# KiCad board KLST_CATERPILLAR.kicad_pcb (continued)
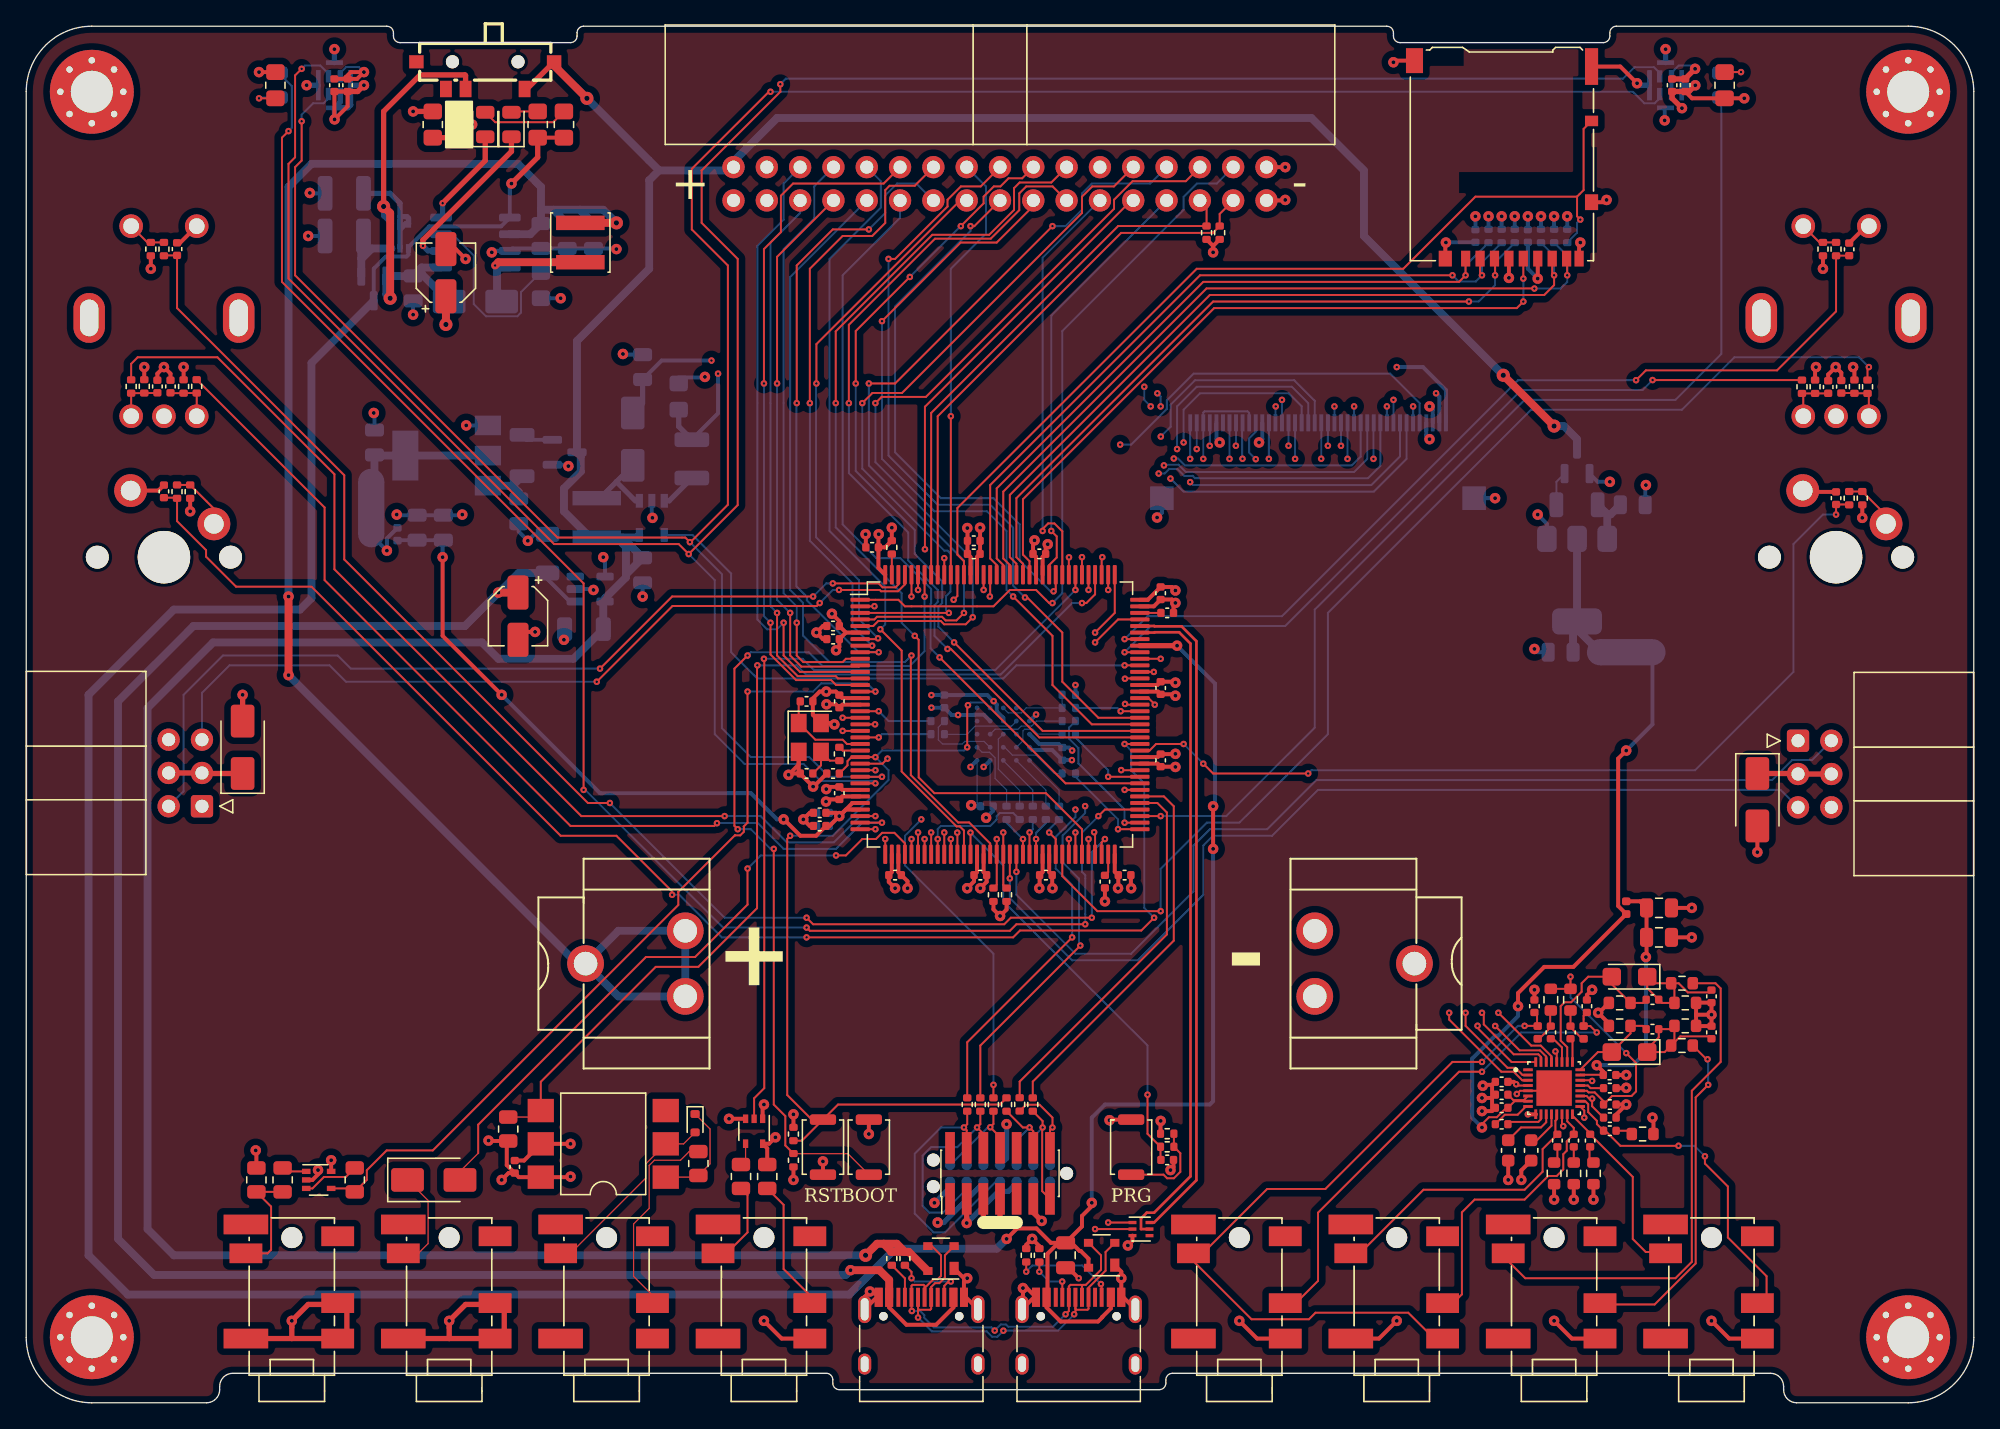
[diagram p0: board, top side]
## Routing (per net, layer and track width the routed paths; a pad name or vN(x,y) marks a point on that pad's centre or on a via; arc(x,y) is an arc through that point) (continued)
  Top w0.15: U2.74 v2(83.75,44.25)
  Bottom w0.15: v2(83.75,44.25) 83.75,45.25 80.23,48.77 80.23,49.95 79.51,50.66 79.51,51.5 R64.2
_EXT_MEMORY_A3: length 5.7
  Top w0.15: U2.18 v2(65,52.75)
  Bottom w0.15: v2(65,52.75) 65.75,52 R67.2
_EXT_MEMORY_A4: length 3.2
  Top w0.15: v2(76,43) U2.58
  Bottom w0.15: v2(76,43) 74.75,44.25 R68.2
_EXT_MEMORY_A5: length 2.8
  Top w0.15: v2(76.5,43.5) U2.59
  Bottom w0.15: R71.2 76.75,43.75 v2(76.5,43.5)
_EXT_MEMORY_A6: length 3
  Top w0.15: v2(77,43) U2.60
  Bottom w0.15: R70.2 77.75,44.22 77,43.47 v2(77,43)
_EXT_MEMORY_A7: length 3.2
  Top w0.15: U2.63 78.5,43 v2(78,43.5)
  Bottom w0.15: v2(78,43.5) 78,43.74 R69.2
_EXT_MEMORY_CHIP_SELECT: length 5
  Top w0.15: U2.91 v2(83.45,52.75)
  Bottom w0.15: R60.1 83.2,53 v2(83.45,52.75)
_EXT_MEMORY_CLK: length 5.5
  Top w0.15: U2.22 v2(65,50.75)
  Bottom w0.15: v2(65,50.75) 65.25,51 R61.1
_EXT_MEMORY_DQS: length 9
  Top w0.15: U2.45 v2(69.5,43)
  Bottom w0.15: R62.1 75.25,44.98 74.23,44.98 74,44.75 74,44.5 73.5,44 69.75,44 69.5,43.75 v2(69.5,43)
_IDC_SERIAL_00_RX: length 62.5
  Top w0.15: v2(60.5,61) 60.28,60.78 49.28,60.78 v2(43.5,55) ; v2(61.97,62) 65.08,62 65.18,61.9 66.47,61.9 67,62.42 U2.141
  Bottom w0.15: J6.5 13.4,54.15 15.5,56.25 23.12,56.25 24.38,55 v2(43.5,55) ; v2(60.5,61) 61.5,62 v2(61.97,62)
_IDC_SERIAL_00_TX: length 68.8
  Top w0.15: v2(60,61.5) 49.25,61.5 v2(43.75,56) ; U2.142 66.5,62.42 66.28,62.2 65.3,62.2 65,62.5 v2(61.5,62.5)
  Bottom w0.15: v2(61.5,62.5) 61,62.5 v2(60,61.5) ; v2(43.75,56) 24.75,56 23.75,57 15,57 12,54 12,46.64 J6.2
_IDC_SERIAL_01_RX: length 73.5
  Top w0.15: U2.56 v2(75,40)
  Bottom w0.15: J5.5 133.77,46.75 98.5,46.75 95,43.25 90.5,43.25 89.75,42.5 89.75,38.75 84.75,33.75 79.75,33.75 75,38.5 v2(75,40)
_IDC_SERIAL_01_TX: length 75.9
  Top w0.15: U2.57 v2(75.5,40.5)
  Bottom w0.15: v2(75.5,40.5) 75.5,38.75 80,34.25 84.25,34.25 89,39 89,42.5 90.25,43.75 94.62,43.75 98.38,47.5 133.13,47.5 134.66,49.03 136.17,49.03 J5.2
_LED_00: length 83.8
  Top w0.15: U2.75 v2(86.5,44.75)
  Bottom w0.15: D1.2 129.25,80 125.75,76.5 114.25,76.5 98.25,60.5 98.25,51.5 91.5,44.75 v2(86.5,44.75)
_LED_01: length 120.1
  Top w0.15: v2(80.75,36.5) 75.5,36.5 75,36 59.75,36 v2(59.5,36.25) ; U2.76 82.25,45.25 v2(81.75,44.75) ; v2(20,97) 19.5,96.5 19.5,85.5 42.5,62.5 v2(42.5,46.75)
  Bottom w0.15: v2(59.5,36.25) 53.12,36.25 42.62,46.75 v2(42.5,46.75) ; v2(80.75,36.5) 80.75,40.25 80.5,40.5 80.5,43.49 81.75,44.74 v2(81.75,44.75) ; v2(20,97) 20.25,97.25 20.25,100.44 D2.2
_MECH_BUTTON_00: length 69.9
  Top w0.15: v2(97.75,48) 90.5,48 v2(89.75,48.75) ; v2(88.25,50.25) 86.15,50.25 85.65,49.75 U2.85 ; v2(138,67.75) C52.1 138.97,68.52 R51.1
  Bottom w0.15: v2(97.75,48) 98,48.25 127.25,48.25 134.75,55.75 134.75,65.5 137,67.75 v2(138,67.75) ; v2(88.25,50.25) v2(89.75,48.75)
_MECH_BUTTON_01: length 106.8
  Top w0.15: v2(86,37) 85.03,36.03 75.78,36.03 75.25,35.5 v2(59.5,35.5) ; v2(83.75,50.25) U2.86 ; C53.1 11.45,69.04 R53.1 11.5,67.25 13.71,65.04 13.71,64.54 16,62.25 21.75,62.25 40.75,43.25 45,43.25 49.25,39 v2(49.25,38.75)
  Bottom w0.15: v2(49.25,38.75) 49.8,38.75 53.05,35.5 v2(59.5,35.5) ; v2(83.75,50.25) 84.25,49.75 84.25,48.25 85.25,47.25 85.25,37.75 v2(86,37)
_MIDI_ANALOG_IN: length 75.5
  Top w0.09: R42.2 38.74,21.79 U5.4
  Top w0.15: U2.112 81.5,61.66 80.84,61 v2(80.5,61) ; v2(55.75,56.25) 55.72,56.23 55.72,37.72 51.25,33.25 48,33.25 39.23,24.49 U5.4
  Bottom w0.15: v2(55.75,56.25) 58.75,56.25 59.45,55.55 74.3,55.55 79.75,61 v2(80.5,61)
_MIDI_ANALOG_OUT: length 63.2
  Top w0.15: U2.115 v2(80,62) ; v2(56.25,56.75) 56.28,56.72 56.28,24 55.5,23.22 U6.2
  Bottom w0.15: v2(56.25,56.75) 59.2,56.75 60.05,55.9 73.9,55.9 v2(80,62)
_RCC_OSC_IN: length 7
  Top w0.15: C9.2 58.9,53.38 Y1.1 60.17,50.58 62.25,50.58 62.58,50.25 U2.23
_RCC_OSC_OUT: length 1.7
  Top w0.15: R7.1 62.25,49.75 U2.24
_SERIAL_DEBUG_RX: length 29.6
  Top w0.15: U2.78 86.75,46.25 87.5,45.5 87.5,35.25 76.75,24.5 R58.2
_SERIAL_DEBUG_TX: length 28.8
  Top w0.15: U2.77 86.25,45.75 86.97,45.03 86.97,35.72 75.75,24.5 R59.2
_SWD_CLK: length 45.7
  Top w0.15: v2(81.5,58.75) 83,60.25 U2.109 ; v2(80.37,34.87) 72.75,27.25 R55.2
  In2.Cu w0.15: v2(81.5,58.75) 82,58.25 82,46.77 v2(80.74,45.51)
  Bottom w0.15: v2(80.37,34.87) 80.28,34.97 80.28,39.97 79.03,41.22 79.03,43.28 80.74,44.99 v2(80.74,45.51)
_SWD_IO: length 44
  Top w0.15: R56.2 71.75,27.5 v2(79.75,35.5) ; U2.105 83.25,59.75 v2(81.5,58)
  In2.Cu w0.15: v2(81.5,58) 81.5,55.08 80.25,53.83 80.25,45.5 v2(80,45.25)
  Bottom w0.15: v2(80,45.25) 80,44.67 78.5,43.17 78.5,40.75 79.75,39.5 v2(79.75,35.5)
_SWD_OUT: length 44.7
  Top w0.15: U2.133 71,61.54 v2(70.71,61.25) ; R57.2 v2(73.75,24.25)
  In2.Cu w0.15: v2(70.71,61.25) 70.09,61.25 68.25,59.41 v2(68.25,44.5)
  Bottom w0.15: v2(73.75,24.25) 73.75,34.25 67,41 67,43.25 v2(68.25,44.5)
_USB_DEVICE_HOST_N: length 51.4
  Top w0.2: U2.103 86.02,58.75 86.04,58.78 87.91,58.78 88.78,57.91 88.78,17.28 86,14.5 85.44,14.5 85,14.06 85,13.25 U7.5
_USB_DEVICE_HOST_P: length 50.8
  Top w0.2: U2.104 86.02,59.25 86.04,59.22 88.09,59.22 89.22,58.09 89.22,16.97 86,13.75 U7.6
_USB_DEVICE_HOST_VBUS: length 263.9
  Top w0.3: v1(74.75,12.5) 75.55,13.3 77.03,13.3 78.13,12.2 C46.1 ; C46.1 80.5,13.45 80.5,14.25 81.25,15 v1(81.25,15.25) ; C46.1 78.7,12.2 77.87,11.37 77.87,8.12 J9.A4 77.8,7.27 78.87,6.2 81.73,6.2 82.05,6.52 82.05,6.55 82.7,7.2 J9.A9 ; C46.1 79.7,12.2 80.32,11.57 80.41,11.57 81,10.99 D12.4 ; v1(90.5,42.25) v1(90.5,45.5) ; R20.2 R21.2
  Top w0.4: v1(37,93) 39,95 R21.2 ; U2.101 v1(87.75,57.75)
  Bottom w0.3: v1(87.75,57.75) 90.65,54.85 90.65,45.65 v1(90.5,45.5) ; Q3.3 26.5,86.51 27.42,87.43 29,87.43 29.15,87.58 Q2.1 29.15,88.15 30.73,89.73 36.2,89.73 U4.5 36.88,92.88 v1(37,93) ; v1(81.25,15.25) 81.25,21.75 82.25,22.75 90.25,22.75 90.5,23 v1(90.5,42.25)
  Bottom w0.6: v1(74.75,12.5) 74,11.75 66.25,11.75 62.75,8.25 7.75,8.25 4.75,11.25 4.75,54 11.25,60.5 20.88,60.5 21.75,61.38 21.75,79.31 Q3.3
BOOT0: length 67.8
  Top w0.09: SW2.1 62.65,19 58.51,19 R11.2
  Top w0.15: R11.2 57.88,19.63 57.88,21.87 57,22.75 v2(57,42.25) ; v2(54.25,43.75) 54,44 54,56 v2(55,57) ; v2(68.5,61.5) U2.138
  Bottom w0.15: v2(57,42.25) 56.75,42.25 55.25,43.75 v2(54.25,43.75) ; v2(68.5,61.5) 68.5,57.33 67.37,56.2 60.71,56.2 59.66,57.25 55.25,57.25 v2(55,57)
GPIO_00_PWM: length 42.9
  Top w0.15: v2(57.25,60.25) 57.25,57 58.83,55.42 61.72,55.42 61.9,55.25 U2.13
  Bottom w0.15: J13.5 59.01,90.76 56.75,88.5 56.75,60.75 v2(57.25,60.25)
GPIO_01_PWM: length 47.2
  Top w0.15: v2(57.75,59.5) 57.75,57 59,55.75 U2.12
  Bottom w0.15: v2(57.75,59.5) 57.25,59 56.5,59 55.75,59.75 55.75,88.24 57.75,90.24 57.75,92.99 J13.6
GPIO_02_PWM: length 42.6
  Top w0.15: v2(58.25,60.25) 58.25,57 59.1,56.15 63.49,56.15 U2.11 ; J13.7 57.25,87.41 v2(57.25,77.75)
  Bottom w0.15: v2(58.25,60.25) 57.25,61.25 v2(57.25,77.75)
GPIO_03_PWM: length 44.4
  Top w0.15: v2(58.75,59.5) 58.75,57 59.25,56.5 62.25,56.5 62.5,56.75 U2.10
  Bottom w0.15: v2(58.75,59.5) 58.75,60.75 57.75,61.75 57.75,88 60.08,90.33 60.08,92.78 J13.8
GPIO_04_ADC: length 63.5
  Top w0.15: U2.53 73.5,42.66 71.9,44.26 71.06,44.26 67.45,47.88 67.45,56.95 v2(67.5,57)
  Bottom w0.15: v2(67.5,57) 67,56.5 61.25,56.5 59.22,58.53 59.22,61.03 58.25,62 58.25,85.87 J13.9
GPIO_05_ADC: length 59.2
  Top w0.15: U2.49 71.5,43.65 71.19,43.96 70.94,43.96 66.75,48.15 66.75,57.38 v2(65.12,59)
  Bottom w0.15: J13.10 65.17,93.17 65.17,91.16 61.25,87.25 61.25,66.5 65.5,62.25 65.5,59.38 v2(65.12,59)
GPIO_06: length 60.1
  Top w0.15: U2.80 79.25,47.25 v2(69.64,56.86)
  Bottom w0.15: J13.11 66.63,90.38 62.25,86 62.25,67 64.82,64.43 66.65,64.43 69,62.08 69,61 68.96,60.96 68.96,57.54 v2(69.64,56.86)
GPIO_07: length 53.5
  Top w0.15: U2.14 61.75,54.75 61.38,55.12 58.7,55.12 56.75,57.08 v2(56.75,59.5) ; J13.12 65.38,93 58.47,93 57.55,92.08 57.55,89.3 56.25,88 v2(56.25,77.75)
  Bottom w0.15: v2(56.75,59.5) 56.25,60 v2(56.25,77.75)
GPIO_08: length 48.7
  Top w0.15: v2(58.75,76.25) 58.75,86.75 61.5,89.5 v2(64.25,89.5) ; U2.9 v2(65,57.25)
  Bottom w0.15: v2(58.75,76.25) 58.72,76.22 58.72,62.28 59.53,61.47 59.53,61.21 63.48,57.25 v2(65,57.25) ; J13.13 67.88,93 66.4,93 65.5,92.1 65.5,90.75 v2(64.25,89.5)
GPIO_09: length 45.7
  Top w0.15: J13.14 67.75,92.83 65.83,92.83 65.5,92.5 65.5,89.99 64.51,89 62.25,89 59.75,86.5 v2(59.75,76.25) ; U2.8 v2(64.5,57.75)
  Bottom w0.15: v2(64.5,57.75) 63,59.25 63,62.5 59.75,65.75 v2(59.75,76.25)
GPIO_10: length 41.8
  Top w0.15: v2(60.25,77.75) 60.25,80.75 71.21,91.71 J13.15 ; U2.7 64.89,58.25 v2(64.95,58.31)
  Bottom w0.15: v2(60.25,77.75) 60.23,77.73 60.23,66.02 63.5,62.75 63.5,59.76 v2(64.95,58.31)
GPIO_11: length 32.8
  Top w0.15: U2.134 v2(70.5,75.25)
  Bottom w0.15: J13.16 73.18,92.78 73.18,89.18 70.5,86.5 v2(70.5,75.25)
GPIO_12: length 42.1
  Top w0.15: U2.118 78.5,62.06 v2(78.33,61.89) ; J13.17 72.29,89.75 v2(72,89.75)
  Bottom w0.15: v2(78.33,61.89) 78.11,61.89 75.75,64.25 75.75,67 73.75,69 69.75,69 66.25,72.5 66.25,83.62 72,89.38 v2(72,89.75)
GPIO_13: length 58.9
  Top w0.15: v2(65.75,87.25) 66.25,87.25 70.25,91.25 70.25,91.76 71.27,92.78 72.78,92.78 J13.18 ; v2(76.16,61.42) 76.33,61.42 79,58.75 79,55 81.75,52.25 U2.90
  Bottom w0.15: v2(65.75,87.25) 65.75,72.25 69.5,68.5 73.5,68.5 75.25,66.75 75.25,62.33 v2(76.16,61.42)
GPIO_14: length 59
  Top w0.15: v2(75.25,61.5) 78.25,58.5 78.25,54.75 81.25,51.75 U2.89 ; v2(65.25,82.5) 71.25,88.5 74,88.5 76.79,91.29 J13.19
  Bottom w0.15: v2(65.25,82.5) 65.25,72 69.25,68 73.25,68 74.75,66.5 74.75,62 v2(75.25,61.5)
GPIO_15: length 63.1
  Top w0.15: v2(63.25,77.75) 63.25,81.75 v2(67.38,85.88) ; J13.20 75.94,93.4 74.9,93.4 74.28,92.78 73.78,92.78 73,92 73,91.49 v2(71.26,89.75) ; v2(70.75,58) 77.5,51.25 U2.88
  Bottom w0.15: v2(67.38,85.88) 71.25,89.75 v2(71.26,89.75) ; v2(70.75,58) 69.55,59.2 69.55,60.71 69.84,61.01 69.84,62.66 67.75,64.75 67.75,66.58 63.25,71.08 v2(63.25,77.75)
GPIO_16: length 67.7
  Top w0.15: J13.21 78.26,92.78 76.25,92.78 75.72,92.25 75.72,90.97 73.55,88.8 69.3,88.8 62.72,82.22 v2(62.72,76.25) ; v2(70.25,57.5) 70.5,57.5 77.25,50.75 U2.87
  Bottom w0.15: v2(70.25,57.5) 69.25,58.5 69.25,60.83 69.5,61.08 69.5,62 67.25,64.25 67.25,66.38 62.72,70.91 v2(62.72,76.25)
GPIO_17: length 76.4
  Top w0.15: U2.67 80.5,43.75 77.75,46.5 69.25,46.5 68.05,47.7 68.05,58.2 v2(67.75,58.5) ; v2(61.72,76.25) 61.72,81.72 69.09,89.09 73.42,89.09 75.32,90.99 75.32,92.65 75.75,93.08 78.16,93.08 J13.22
  Bottom w0.15: v2(67.75,58.5) 66.75,59.5 66.75,61.75 61.72,66.78 v2(61.72,76.25) 61.75,76.28
GPIO_18: length 32.4
  Top w0.15: U2.117 79,66.47 78.4,67.08 77.92,67.08 77.5,66.65 v2(77.5,66.5)
  Bottom w0.15: v2(77.5,66.5) 77.5,87.34 J13.23
I2C_USR_SCL: length 42
  Top w0.15: U2.136 69.5,75.25 83.49,89.23 90.47,89.23 R5.2 91,90.68 J13.31
I2C_USR_SDA: length 41.4
  Top w0.15: J13.29 90,91.2 R6.2 83.26,89.76 69,75.5 U2.137
NRST: length 68.3
  Top w0.15: v2(71.81,53.21) 71.75,53.15 v2(71.75,50) ; SW1.2 59.9,21.6 58.02,23.48 58.02,43.02 v2(58.25,43.25) ; SW1.2 59.14,19.99 R9.1 ; SW1.2 61.9,22.75 74.24,22.75 R54.2 ; C25.1 62.62,48.62 62.62,48.95 62.93,49.25 U2.25 v2(64.75,49.25)
  Bottom w0.15: U12.A4 73.09,53.41 72.01,53.41 v2(71.81,53.21) ; v2(58.25,43.25) 61.5,43.25 65.75,47.5 65.75,48.25 v2(64.75,49.25) 65.25,49.75 71.5,49.75 v2(71.75,50)
SERIAL_USR_RX: length 58
  Top w0.15: v2(65.5,43) U2.37 ; J13.25 84.26,91.71 68.53,75.98 v2(68.53,65.11)
  In2.Cu w0.15: v2(68.53,65.11) 66.3,62.88 66.3,49.74 66.54,49.5 66.54,48.77 66.3,48.53 66.3,43.8 v2(65.5,43)
SERIAL_USR_TX: length 32.6
  Top w0.15: v2(78.16,66.5) 78.58,66.08 78.58,64.48 78,63.9 U2.119
  Bottom w0.15: v2(78.16,66.5) 78.16,82.92 J13.27
SPI_USR_CS: length 54.8
  Top w0.15: U2.3 v2(70.35,60.25) ; v2(63.75,76.25) 64.53,77.03 66.78,77.03 80.5,90.75 80.5,92 81.28,92.78 82.94,92.78 J13.26
  Bottom w0.15: v2(63.75,76.25) 63.75,71.25 70,65 70.25,65 70.48,64.77 70.48,61.87 70.14,61.53 70.14,60.46 v2(70.35,60.25)
SPI_USR_MISO: length 59.1
  Top w0.15: v2(71.5,60.25) 70.92,59.67 70.11,59.67 69.83,59.95 64.87,59.95 64.67,59.75 U2.4 ; v2(64.25,77.75) 66.25,77.75 v2(78.25,89.75)
  Bottom w0.15: v2(78.25,89.75) 79.25,89.75 80.5,91 80.5,92.25 81.25,93 85.7,93 J13.28 ; v2(64.25,77.75) 64.25,71.5 71.5,64.25 v2(71.5,60.25)
SPI_USR_MOSI: length 61.1
  Top w0.15: v2(72.17,59.91) 71.64,59.38 69.99,59.38 69.74,59.63 64.96,59.63 64.58,59.25 U2.5 ; v2(64.75,76.25) 65.22,76.72 68.6,76.72 82.94,91.07 82.94,91.76 84.36,93.18 88.42,93.18 J13.30
  Bottom w0.15: v2(72.17,59.91) 72.17,64.33 64.75,71.75 v2(64.75,76.25)
SPI_USR_SCK: length 55.6
  Top w0.15: v2(78.25,61) 78,61 77,62 75,62 73.75,60.75 67,60.75 66.5,61.25 U2.1
  Bottom w0.15: v2(78.25,61) 79,61.75 79,81.75 88.25,91 88.25,91.99 89.26,93 90.78,93 J13.32
Net-(C13-Pad1): length 3.6
  Top w0.15: C13.1 60.6,48.62 Y1.3 61.27,48.98 R7.2
Net-(C38-Pad1): length 3.8
  Top w0.15: SW4.B 135.5,76.89 R25.1 R26.2 137.39,76.99 C38.1
Net-(C40-Pad1): length 3.8
  Top w0.15: SW4.A 140.5,76.89 R30.2 140.39,77 R29.2 139.38,77.02 C40.1
Net-(C41-Pad1): length 3.8
  Top w0.15: SW5.B R31.1 8.99,77.01 R32.2 9.98,77.02 C41.1
Net-(C43-Pad1): length 3.8
  Top w0.15: C43.1 11.03,77.01 R35.2 12.01,77.02 R36.2 SW5.A
Net-(C57-Pad2): length 10.5
  Top w0.15: R72.2 125.68,31.75 R74.1 124.73,30.5 C64.1 123.6,31.63 C63.1 124.1,32 R72.2 ; R72.2 126,32 126.7,31.3 128.32,31.3 C57.2
Net-(C60-Pad2): length 10.5
  Top w0.15: R73.2 124.93,26.75 C66.1 123.6,26.99 124.48,27.87 C65.1 125.43,28.5 R77.1 125.68,27.5 R73.2 ; R73.2 126.12,27.95 128.32,27.95 C60.2
Net-(C61-Pad1): length 2.7
  Top w0.15: FB2.2 115.37,27.77 116.25,28.65 C61.1 116.2,28.78 116.2,29.72 116,29.92
Net-(C62-Pad1): length 2.7
  Top w0.15: 117.5,29.67 R76.2 ; 117.75,29.67 C62.1 117.75,28.65 118.63,27.77 FB3.2
Net-(C77-Pad2): length 1.3
  Top w0.15: R80.1 122.18,20.75 C77.2
Net-(C78-Pad2): length 1.3
  Top w0.15: C78.2 119.2,19.47 119.2,18.62 R81.1
Net-(C79-Pad2): length 1.2
  Top w0.15: C79.2 R82.1
Net-(C80-Pad2): length 1.3
  Top w0.15: R83.1 116.75,18.57 C80.2
Net-(D1-K): length 2.8
  Top w0.15: R1.2 v2(130.75,101.5)
  Bottom w0.15: D1.1 129.31,101.5 v2(130.75,101.5)
Net-(D2-K): length 2.8
  Top w0.15: v2(17.75,99.5) R2.2
  Bottom w0.15: D2.1 17.81,99.56 v2(17.75,99.5)
Net-(D4-A): length 6.1
  Bottom w0.4: L2.1 43.75,69 45,70.25 ; 45,70.25 46.45,68.8 U3.1 ; 45,70.25 D4.2
Net-(D5-A): length 6.7
  Top w0.15: R20.1 40.18,97.68 35.76,97.68 D5.2
Net-(D6-A): length 2
  Top w0.15: D6.2 37.06,98.5 R21.1
Net-(D9-K): length 5.7
  Top w0.4: D9.1 135.06,48 J5.3 J5.4
Net-(D10-K): length 5.7
  Top w0.4: J6.4 J6.3 13.44,48 D10.1
Net-(D11-K): length 8.1
  Top w0.09: U5.1 51.12,17.21 R39.2 52.14,18.23 52.14,20.88 D11.1
Net-(J9-CC1): length 4
  Top w0.15: v2(78.99,9.25) 79,9.24 J9.A5 ; v2(77.25,10) R43.2
  Bottom w0.15: v2(78.99,9.25) 78,9.25 v2(77.25,10)
Net-(J9-CC2): length 8.3
  Top w0.15: J9.B5 82,9 v2(81.94,9.06) ; v2(76.25,10) R44.2
  Bottom w0.15: v2(76.25,10) 76.72,10.47 80.53,10.47 v2(81.94,9.06)
Net-(J10-CC1): length 2.9
  Top w0.15: R45.1 67,9.49 J10.A5
Net-(J10-CC2): length 5.8
  Top w0.15: J10.B5 70,8.92 70.33,9.25 v2(70.5,9.25) ; v2(67.5,9.5) 67.5,9.99 R46.1
  Bottom w0.15: v2(70.5,9.25) 67.75,9.25 v2(67.5,9.5)
Net-(Q1-S): length 2.5
  Bottom w0.3: FB1.2 38.18,73.45 Q1.2
Net-(Q2A-B1): length 8.5
  Bottom w0.4: R23.2 27.75,92.25 28.5,91.5 28.5,90.47 ; 28.5,90.47 Q2.5 Q2.2 ; 28.5,90.47 29.03,90.47 29.15,90.35 Q2.6 28.95,89.95 28.5,89.5
Net-(Q2B-C2): length 5.8
  Bottom w0.6: 25.55,87.25 26.35,88.05 Q2.3 ; 25.55,87.25 Q3.1 ; 25.55,87.25 25.55,88.84 R24.2
Net-(Q4-S): length 2.6
  Bottom w0.15: Q4.2 116.68,70.25 FB4.2
Net-(R27-Pad1): length 3
  Top w0.15: R28.2 R27.1 136.74,88.51 SW4.S2
Net-(R33-Pad1): length 3
  Top w0.15: R34.2 R33.1 9.24,88.51 SW5.S2
Net-(R37-Pad1): length 7.2
  Top w0.15: R37.1 R38.2 88,19.03 88,17.62 87.51,17.12 86.99,17.12 86.72,17.4 SW6.1
Net-(R41-Pad2): length 1.7
  Top w0.09: R41.2 54.85,18.52 U6.4
Net-(R50-Pad1): length 4.2
  Top w0.15: SW7.1 141.81,67.7 R50.1 R51.2
Net-(R52-Pad1): length 4.7
  Top w0.15: SW8.1 14.31,68.2 R52.1 R53.2
Net-(U3-FB): length 2.8
  Bottom w0.4: U3.3 49.03,68.8 50.75,70.53
Net-(U4-PROG): length 14.7
  Bottom w0.15: U4.3 32.5,89.14 34.12,87.51 34.12,83.8 35.05,82.88 37.45,82.88 37.72,83.15 37.72,84.72 R22.2
Net-(U9-+): length 1.9
  Top w0.15: R48.2 19.81,17.65 U9.1
Net-(U9--): length 4.3
  Top w0.15: R49.1 24.36,17.22 22.7,17.22 21.83,16.35 U9.3
Net-(U12-CK): length 5.9
  Bottom w0.09: 75.5,51.98 75.14,51.62 72.37,51.62 71.74,50.99 70.01,50.99
Net-(U12-CS#): length 5.8
  Bottom w0.09: R63.1 R60.2 76.25,53 75.87,52.62 74.88,52.62 U12.A3
Net-(U12-DQ0): length 5.3
  Bottom w0.09: 74.5,49.98 74.62,49.98 75.2,49.4 77,49.4 78.4,48 R66.1
Net-(U12-DQ1): length 4.7
  Bottom w0.09: U12.D2 76,50.5 76,51.25 76.13,51.38 76.76,51.38 77.14,51 R65.1
Net-(U12-DQ2): length 5.9
  Bottom w0.09: U12.C4 73.88,51.38 75.63,51.38 75.87,51.62 76.66,51.62 77.04,52 R64.1
Net-(U12-DQ3): length 6
  Bottom w0.09: 73.5,49.98 73.04,50.44 71.57,50.44 71.37,50.25 69.87,50.25 69.55,50.57 69.55,51.53 70.01,51.99
Net-(U12-DQ4): length 5.9
  Bottom w0.09: 74.8,45.6 74.75,45.55 R68.1 74.75,46.75 73.88,47.62 73.88,49.19 73.45,49.62 72.88,49.62 U12.D5 72.5,49.98
Net-(U12-DQ5): length 4.4
  Bottom w0.09: 76.75,45.5 76.75,46.73 74.5,48.98
Net-(U12-DQ6): length 4.4
  Bottom w0.09: 75.5,48.98 77.75,46.73 77.75,45.5
Net-(U12-DQ7): length 4.4
  Bottom w0.09: 76.5,48.98 78.75,46.73 78.75,45.5
Net-(U12-RWDS): length 6.3
  Bottom w0.09: U12.C3 74.12,50.62 74.12,48.33 75.75,46.7 R62.2
Net-(U13-CPCA): length 3
  Top w0.15: U13.8 114.35,22.6 113.72,21.97 112.74,21.97 C70.1
Net-(U13-CPCB): length 3.1
  Top w0.15: C70.2 113.16,21.43 115.3,21.43 115.5,21.63 U13.10
Net-(U13-CPVOUTN): length 2.9
  Top w0.15: C67.1 115.19,20.03 116.3,21.13 U13.12
Net-(U13-CPVOUTP): length 4.1
  Top w0.15: U13.11 115.9,21.4 115.5,21 113.97,21 C68.1
Net-(U13-VMIDC): length 1.9
  Top w0.15: C72.1 119.28,24 119.08,24.2 U13.21

## Copper pours and planes (outline as drawn; the poured copper is in the pictures)
+3.3V on In3.Cu: 0,105 148.5,105 148.5,0 0,0
GND on In1.Cu, In4.Cu: 0,105 148.5,105 148.5,0 0,0
(no net) on Top, Bottom: 0,105 148.5,105 148.5,0 0,0

## Text on the board
B.Silkscreen: ▓▓████▓▓▒▒ / ░░██████████ / ██████████▓▓░░ / ████████████░░ / ████████████▒▒                                ▓▓▓▓██ / ██████████▓▓░░                              ▓▓██▓▓████ / ████████▓▓░░                            ░░████████████▒▒ / ▓▓████▒▒░░░░                              ▓▓████████████ / ▒▒██▒▒                  ░░░░  ░░            ████████████ / ░░░░              ░░░░    ░░░░░░░░░░░░░░  ░░██████████ / ░░        ░░░░  ░░░░░░░░░░░░░░░░░░░░░░░░░░░░▓▓████████ / ░░░░░░░░░░░░░░░░░░░░░░░░░░░░░░░░░░░░░░██████▓▓ / ░░░░████▓▓░░░░░░░░░░░░░░░░░░░░░░░░░░░░██████ / ░░░░██████████░░░░░░░░░░░░░░░░░░░░░░░░░░░░ / ░░░░░░░░▒▒████▓▓████▒▒░░░░░░░░▒▒████░░░░░░░░░░░░ / ░░░░░░░░░░▓▓████▓▓██▓▓░░  ░░░░░░██████▓▓░░░░░░░░░░ / ░░░░░░░░░░████████░░          ░░████████░░░░░░░░░░ / ░░░░░░░░░░████▓▓                ██▓▓████░░░░░░░░░░░░ / ░░░░░░░░░░████                    ████▓▓░░░░░░░░░░ / ░░░░░░░░░░░░░░                    ▒▒██▒▒░░░░░░░░░░ / ░░░░░░░░░░░░        ░░██████▒▒      ██░░░░░░░░░░░░ / ░░░░░░░░░░░░░░  ░░░░▒▒▓▓████████░░░░▓▓░░░░░░░░░░ / ░░██░░░░░░░░░░░░░░░░░░░░██████████░░░░░░░░░░░░░░░░ / ░░████▓▓░░░░░░▒▒░░░░░░░░░░▒▒██████▒▒░░░░░░░░░░░░░░ / ▓▓██████▓▓▒▒▒▒▒▒▒▒░░░░░░░░░░░░░░░░░░░░░░░░░░░░░░░░░░ / ▒▒▓▓██████████████▒▒▒▒▒▒▒▒░░░░░░░░░░░░░░░░░░░░░░░░▒▒████░░ / ▓▓██████████████████████▓▓▓▓▓▓▓▓▒▒░░░░░░░░░░▒▒▓▓▓▓██████████▓▓▒▒ / ░░▓▓████████████████████████████████████▓▓▒▒▒▒████████████████████ / ██▓▓████████████████████████████████████████████████████████████████ / ████▓▓████████████████████████████████████████████████████████████████▒▒ / ▓▓▓▓████████████████████████████████████████████████████████████████████ / ▓▓████████████████▓▓░░░░░░▒▒░░░░░░▒▒▒▒▒▒▒▒▒▒▒▒▒▒▒▒▓▓██████████████████████▓▓ / ██████████████████▒▒░░░░░░░░░░░░░░░░░░░░░░░░░░░░░░▒▒▒▒▒▒▒▒██████████████████ / ▓▓████████████████▒▒░░░░░░░░░░░░░░░░░░░░░░░░░░░░░░▒▒▒▒▒▒▒▒██████████████████░░ / ▒▒▓▓████████████████▓▓░░░░░░░░░░░░░░░░░░░░░░░░░░░░░░░░▒▒▒▒▒▒██████████████████▓▓ / ████████████████████▓▓░░░░░░░░░░░░░░░░░░░░░░░░░░░░░░░░▒▒▒▒▒▒████████████████████ / ▓▓▓▓██████████████████░░░░░░░░░░░░░░░░░░░░░░░░░░░░░░░░▒▒▒▒▒▒██████████████████▓▓ / ▓▓████████████████████▒▒░░░░░░░░░░░░░░░░░░░░░░░░░░░░░░▒▒▒▒▓▓██████████████████▓▓ / ████████████████████████░░░░░░░░░░░░░░░░░░░░░░░░░░░░░░▒▒▒▒██████████████████████ / ████████████████████████░░░░░░░░░░░░░░░░░░░░░░░░░░░░░░░░▒▒██████████████████████ / ████████████████████▓▓░░░░░░░░░░░░░░░░░░░░░░░░░░░░░░░░▒▒██████████████████████ / ████████████████████▒▒░░░░░░░░░░░░░░░░░░░░░░░░░░░░░░░░██████████████████████████████▒▒ / ██████████████████▓▓▒▒░░░░░░░░░░░░░░░░░░░░░░░░░░░░░░░░▓▓████████████████████████████████▒▒ / ▒▒████████████████████▓▓▒▒░░░░░░░░░░░░░░░░░░░░░░░░░░░░▒▒▓▓████████████████████████████████▓▓▓▓ / ████████████████████████▒▒▒▒░░░░░░░░░░░░░░░░░░░░░░░░░░▒▒▒▒████▓▓██████████████████████████████░░ / ▒▒████████████████████████▓▓▒▒░░░░░░░░░░░░░░░░░░░░░░░░░░░░▓▓██████████████████████████████████████ / ████████████████████████████▒▒░░░░░░░░░░░░░░░░░░░░░░░░░░▒▒████████████████████████████████████████ / ████████████████████████████▒▒▒▒░░░░░░░░░░░░░░░░░░░░░░░░▒▒████████████████████████████████▓▓██████ / ████████████████████████████▒▒▒▒░░░░░░░░░░░░░░░░░░░░░░▒▒▒▒██████████████████████████████████▓▓████ / ████████████████████████████▒▒▒▒░░░░░░░░░░░░░░░░░░░░▒▒▒▒▒▒████████████████████████████▓▓▓▓▓▓▓▓██▓▓ / ░░▓▓██████████████████████████▒▒▒▒░░░░░░░░░░░░░░░░░░░░▒▒▒▒▒▒██████████████████████████▓▓▓▓▓▓▓▓▓▓██ / ████████████████▓▓▓▓████████▒▒▒▒▒▒▒▒░░░░░░░░░░░░▒▒▒▒░░      ▒▒██████████████████████▓▓████████▓▓ / ████████████████▓▓██████████  ░░▒▒▒▒▒▒▒▒▒▒▒▒░░░░░░            ████████████████████▓▓████████▒▒ / ██████████████████████████▓▓                                    ██████████████████▓▓▓▓▓▓██▓▓ / ████████████████▓▓██████                                        ██████████████████████ / ██████████████████████▒▒ | ..... / ..... / ..ADC | ..... / ..... / ..DAC | ..... / ...MI / DI_IN | ..... / ..MID / I_OUT | ..... / ..... / .HOST | ..DEV / ICE+C / HARGE | ..... / ....M / IC_IN | ..HEA / DPHON / E+MIC | ..... / ...LI / NE_IN | ..... / ..LIN / E_OUT
User.Comments: STACK-UP / 1. F.Cu   > SIG / 2. In1.Cu > GND / 3. In2.Cu > SIG / 4. In3.Cu > PWR / 5. In4.Cu > GND / 6. B.Cu   > SIG
F.Silkscreen: RST | BOOT | PRG | + | -
